# Altium PCB spd150.PcbDoc (part 15 of 15)
Units mil, origin at the board's own origin, x right, y up, seen from the top; angles counter-clockwise.
Board outline 8557 x 5807 mil, 10 copper layers (TOP, LYR2-PLN, LYR3-SIG, LYR4-SIG, LYR5-PLN, LYR6-PLN, LYR7-SIG, LYR8-SIG, LYR9-PLN, BOTTOM), stack 84 mil thick; 1065 components, 972 nets, 4226 pads, 2810 vias.
Unrouted connection lines stored in the file: 16.
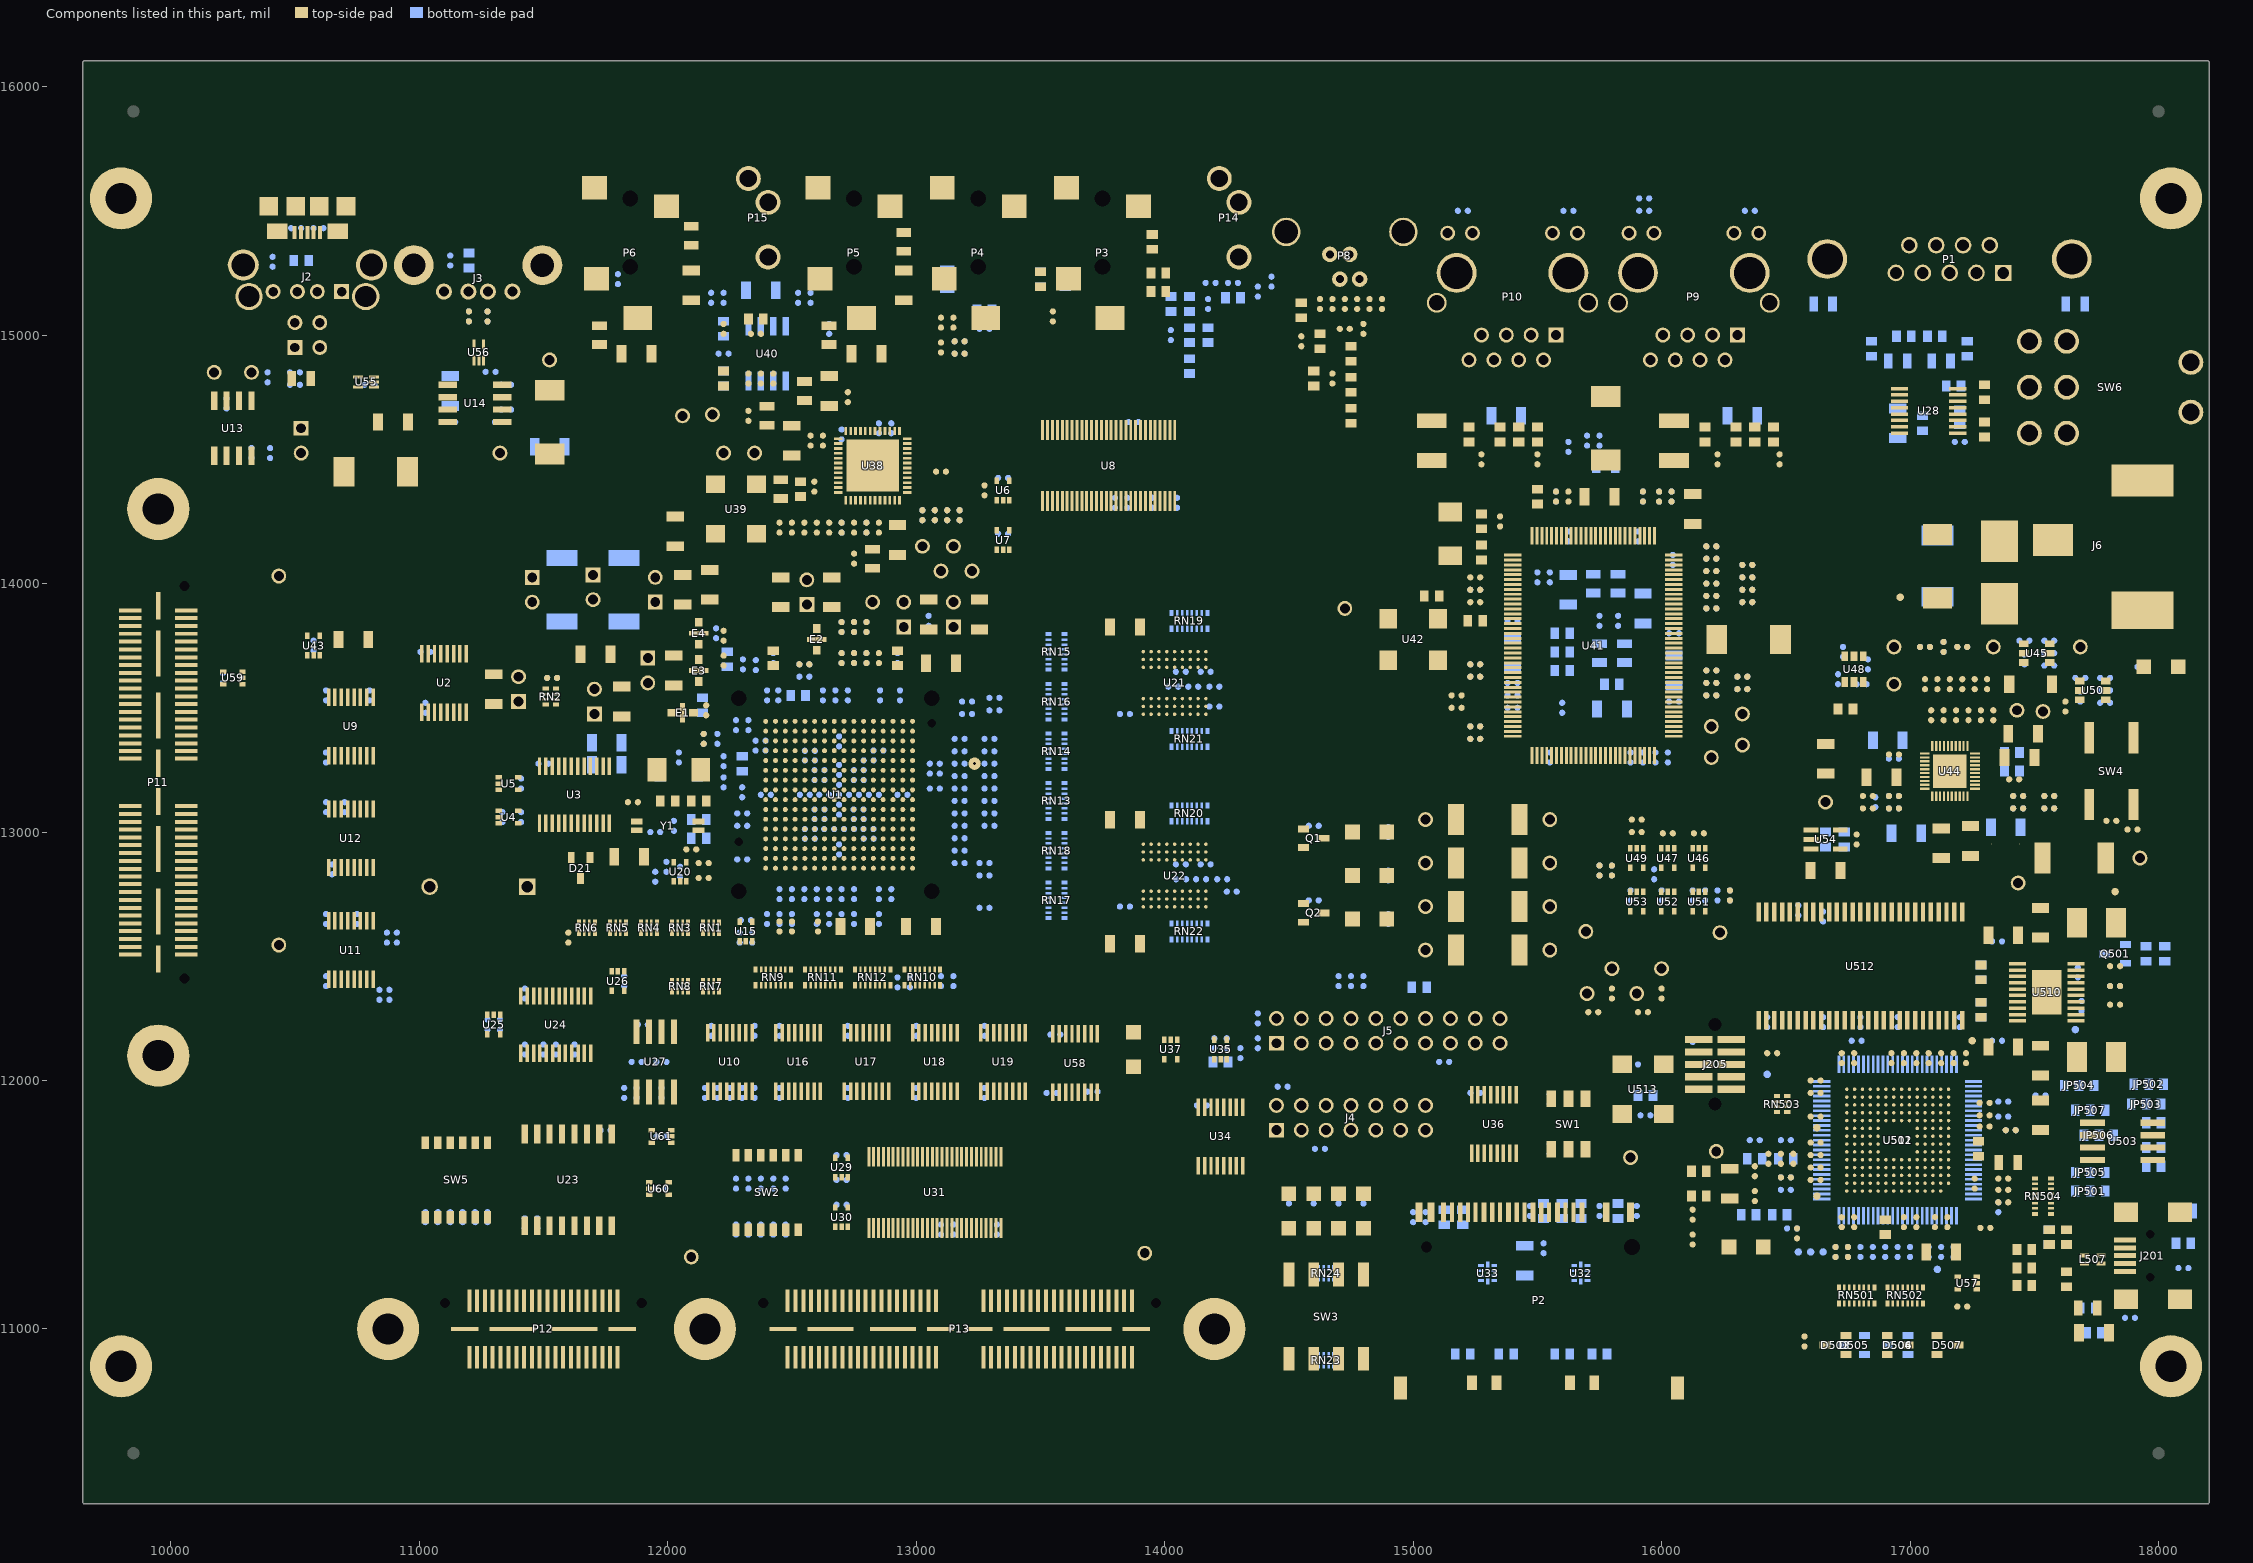
[diagram p23: the components of this part, seen from the top]

## Silkscreen, mask and mechanical layers (free items; w line width, h text height) (continued)
FAB:
  drawing of 4268 lines, arcs and shapes, not listed
  text "V-SCORE DETAIL" at 27570,13975 h250
  text "TSLK" at 29350,12300 h150
  text "TSLK" at 29350,12300 h150
  text "SMC" at 29415,11760 h150
  text "SMC" at 29415,11760 h150
  text "LAYER 1" at 29095,11235 h150
  text "LAYER 2" at 29100,10685 h150
  text "LAYER 3" at 29100,10100 h150
  text "LAYER 3" at 29100,10100 h150
  text "LAYER 4" at 29100,9550 h150
  text "LAYER 4" at 29100,9550 h150
  text "LAYER 5" at 29100,9000 h150
  text "LAYER 5" at 29100,9000 h150
  text "LAYER 6" at 29100,8450 h150
  text "LAYER 6" at 29100,8450 h150
  text "9.  IMPEDENCE CONTROL DIFF PAIRS TO 90 OHMS, 6 MIL LINE WITH 5 MIL SPACE." at 1720,8200 h150
  text "IMPEDENCE CONTROL DIFF PAIRS TO 100 OHMS, 5.2 MIL LINE WITH 4.8 IL SPACE." at 2280,7915 h150
  text "LAYER 7" at 29100,7900 h150
  text "IMPEDENCE CONTROL SINGLE ENDED 5 MIL LINES TO 50 OHMS." at 2290,7630 h150
  text "FAB HOUSE CAN MODIFY TO MEET REQUIRED IMPEDENCES." at 2280,7375 h150
  text "LAYER 8" at 29100,7350 h150
  text "8.  SURFACE FINISH SHALL BE IMMERSION GOLD." at 1715,6940 h150
  text "TSLK" at 9287.5,6821 h150
  text "LAYER 9" at 29100,6800 h150
  text "7.  FINISHED BOARD SHALL BE FREE OF BURRS ON EDGES." at 1675,6475 h150
  text "LAYER 10" at 29100,6250 h150
  text "6.  DRC'S MUST BE RUN ON THE GERBERS BEFORE BUILDING BOARDS UNLESS PRIOR" at 1675,6050 h150
  text "APPROVAL IS GIVEN IN WRITING." at 2225,5750 h150
  text "SMS" at 29350,5700 h150
  text "SMS" at 29350,5700 h150
  text "5.  PLATED THRU HOLE SIZE TOLERANCES SHALL BE +/- .003 INCH." at 1675,5300 h150
  text "BSLK" at 29325,5150 h150
  text "BSLK" at 29325,5150 h150
  text "UNPLATED THRU HOLE SIZE TOLERANCES SHALL BE +/- .002 INCH." at 2225,5000 h150
  text "4.  SOLDERMASK ON BOTH SIDES OF THE BOARD SHALL BE S.M.O.B.C., LPI, COLOR GREEN." at 1650,4550 h150
  text "LAYER SCHEDULE" at 27750,4375 h250
  text "LAYER SCHEDULE" at 27750,4375 h250
  text "3.  MINIMUM TRACE AND SPACE SHALL BE .004 OF AN INCH." at 1650,4100 h150
  text "SCALE: NONE" at 28850,4075 h150
  text "SCALE: NONE" at 28850,4075 h150
  text "2.  COPPER PLATED SURFACE CONDUCTORS SHALL BE THE EQUIVALENT OF 1 OZ. COPPER" at 1650,3650 h150
  text "AFTER PLATING.  PLANE LAYERS SHALL BE 1 OZ. COPPER.  AVERAGE COPPER ON" at 2200,3350 h150
  text "APPROVED" at 26250,3175 h100
  text "THE WALL OF THE PLATED HOLE SHALL BE .001 INCH." at 2200,3050 h150
  text "SPECTRUM DIGITAL" at 29200,3000 h175
  text "SPECTRUM DIGITAL" at 29200,3000 h175
  text "CHECKED" at 26250,2925 h100
  text "DRAFTING" at 26250,2675 h100
  text "ionDesign" at 27500,2650 h100
  text "ionDesign" at 27500,2650 h100
  text "1   TOTAL BOARD THICKNESS SHALL BE .062 +/- .007 INCHES." at 1625,2600 h150
  text "FABRICATION DRAWING," at 28800,2450 h150
  text "FABRICATION DRAWING," at 28800,2450 h150
  text "TURNING CONCEPT" at 32500,2450 h75
  text "DATE" at 23225,2425 h100
  text "09/10/09" at 24675,2425 h100
  text "09/10/09" at 24675,2425 h100
  text "ENGR" at 26250,2425 h100
  text "ALL MATERIAL SHALL BE NEMA GRADE FR-4 OR EQUIVALENT. (Tg>=170 DEG. C)" at 2200,2300 h150
  text "INTO REALITY" at 32600,2300 h75
  text "DESIGN ENGR" at 23225,2175 h100
  text "4410 SHOALWOOD" at 32600,2175 h55
  text "AUSTIN,TEXAS 78756" at 32475,2075 h55
  text "OMAP-L137 EVM" at 28800,2050 h150
  text "OMAP-L137 EVM" at 28800,2050 h150
  text "(512)260-5778" at 32650,1975 h55
  text "PROJECT ENGR" at 23225,1925 h100
  text "NOTES: UNLESS OTHERWISE SPECIFIED" at 1775,1700 h180
  text "ENGR MGR" at 23225,1675 h100
  text "NONE" at 29600,1675 h100
  text "511341 REV F" at 31275,1525 h150
  text "NEXT ASSEMBLY" at 23950,1425 h100
  text "1 OF 1" at 29600,1425 h100
FAB2:
  drawing of 2914 lines, arcs and shapes, not listed
  text "CUSTOMER NAME" at 29700,3000 h175
  text "CUSTOMER NAME" at 29700,3000 h175
  text "TURNING CONCEPT" at 32500,2450 h75
  text "FABRICATION DRAWING," at 28800,2400 h150
  text "FABRICATION DRAWING," at 28800,2400 h150
  text "INTO REALITY" at 32600,2300 h75
  text "4410 SHOALWOOD" at 32600,2175 h55
  text "AUSTIN,TEXAS 78756" at 32475,2075 h55
  text "BOARD NAME" at 28875,2025 h150
  text "BOARD NAME" at 28875,2025 h150
  text "(512)260-5778" at 32650,1975 h55
  text "NONE" at 29600,1675 h100
  text "PCB NUMBER" at 31525,1510 h150
  text "PCB NUMBER" at 31525,1510 h150
  text "2 OF 2" at 29600,1425 h100
  text "2 OF 2" at 29600,1425 h100
ASSY2:
  drawing of 2914 lines, arcs and shapes, not listed
  text "CUSTOMER NAME" at 29700,3000 h175
  text "CUSTOMER NAME" at 29700,3000 h175
  text "TURNING CONCEPT" at 32500,2450 h75
  text "ASSEMBLY DRAWING," at 28800,2400 h150
  text "ASSEMBLY DRAWING," at 28800,2400 h150
  text "INTO REALITY" at 32600,2300 h75
  text "4410 SHOALWOOD" at 32600,2175 h55
  text "AUSTIN,TEXAS 78756" at 32475,2075 h55
  text "BOARD NAME" at 28875,2025 h150
  text "BOARD NAME" at 28875,2025 h150
  text "(512)260-5778" at 32650,1975 h55
  text "ASSEMBLY SOLDER SIDE" at 14910,1830 h250
  text "ASSEMBLY SOLDER SIDE" at 14910,1830 h250
  text "NONE" at 29600,1675 h100
  text "NONE" at 29600,1675 h100
  text "ASSY NUMBER" at 31395,1515 h150
  text "ASSY NUMBER" at 31395,1515 h150
  text "2 OF 2" at 29600,1425 h100
  text "2 OF 2" at 29600,1425 h100
TITLE_BLOCK:
  drawing of 2088 lines, arcs and shapes, not listed
  text "TURNING CONCEPT" at 12430,8135 h75
  text "SPECTRUM DIGITAL" at 13750,8100 h100
  text "SPECTRUM DIGITAL" at 13750,8100 h100
  text "INTO REALITY" at 12510,8000 h75
  text "OMPA-L137 EVM" at 14450,7825 h75
  text "OMPA-L137 EVM" at 14450,7825 h75
  text "4410 SHOALWOOD" at 12590,7760 h55
  text "AUSTIN,TEXAS 78756" at 12460,7655 h55
  text "(512)260-5778" at 12590,7555 h55
  text "DATE:" at 13750,7545 h100
  text "DATE:" at 13750,7545 h100
  text "09/10/09" at 14325,7545 h100
  text "09/10/09" at 14325,7545 h100
DIMENSION:
  lines w1: 9300,10650 9294,10650 9300,10650 ; 9300,10650 9400,10700 ; 9300,10650 9400,10700 ; 9380,15325 9239,15325 9380,15325 ; 9380,15325 9555,15595 ; 9380,15325 9555,15595 ; 9400,10700 9550,10700 9400,10700 ; 9555,15595 10290,15595 9555,15595 ; 9650,16800 13601,16800 9650,16800 ; 9650,16800 9800,16775 ; 9650,16800 9800,16825 ; 9650,16800 9800,16775 ; 9650,16800 9800,16825 ; 9800,16775 9800,16825 ; 9800,16775 9800,16825 ; 18050,16775 18050,16825 ; 18050,16775 18200,16800 ; 18050,16775 18050,16825 ; 18050,16775 18200,16800 ; 18050,16825 18200,16800 ; 18050,16825 18200,16800 ; 18200,16800 14299,16800 18200,16800 ; 19075,10450 19125,10450 ; 19075,10450 19100,10300 ; 19075,10450 19125,10450 ; 19075,10450 19100,10300 ; 19075,15950 19125,15950 ; 19075,15950 19100,16100 ; 19075,15950 19125,15950 ; 19075,15950 19100,16100 ; 19100,10300 19100,12951 19100,10300 ; 19100,10300 19125,10450 ; 19100,10300 19125,10450 ; 19100,16100 19100,13649 19100,16100 ; 19100,16100 19125,15950 ; 19100,16100 19125,15950 ; 9274,15700 9550,15700 9274,15700 ; 9274,16100 9550,16100 9274,16100 ; 9279,10850 9700,10850 9279,10850 ; 9294,10300 9550,10300 9294,10300 ; 9650,10144 9650,10200 9650,10144 ; 9650,16200 9650,16900 9650,16200 ; 9800,10129 9800,10750 9800,10129 ; 10390,15800 10390,16251 10390,15800 ; 10715,15800 10715,16246 10715,15800 ; 18200,16200 18200,16900 18200,16200 ; 18300,10300 19200,10300 18300,10300 ; 18300,16100 19200,16100 18300,16100
  text "8.550" at 13680,16750 h100
  text "8.550" at 13680,16750 h100
  text ".590" at 10440,16330 h100 r90
  text ".590" at 10440,16330 h100 r90
  text ".915" at 10765,16325 h100 r90
  text ".915" at 10765,16325 h100 r90
  text "5.250" at 8655,16050 h100
  text "5.250" at 8655,16050 h100
  text "BREAK OFF TAB" at 13300,15850 h100
  text "(VSCORE)" at 7675,15655 h100
  text "4.850" at 8655,15650 h100
  text "4.850" at 8655,15650 h100
  text "4.745" at 8620,15275 h100
  text "4.745" at 8620,15275 h100
  text "5.800" at 19150,13030 h100 r90
  text "5.800" at 19150,13030 h100 r90
  text "0" at 9100,10800 h100
  text "0" at 9100,10800 h100
  text "(VSCORE)" at 7830,10605 h100
  text ".150" at 8785,10600 h100
  text ".150" at 8785,10600 h100
  text "BREAK OFF TAB" at 13300,10450 h100
  text ".550" at 8785,10250 h100
  text ".550" at 8785,10250 h100
  text "0" at 9750,9950 h100
  text "0" at 9750,9950 h100
  text ".150" at 9700,9635 h100 r90
  text ".150" at 9700,9635 h100 r90
CHECK PLOT ONLY:
  text "CHECK PLOT ONLY" at 11305,8870 h250
DESIGN_NOTES:
  text "1. All board outlines shall be .020 in width." at 1650,21900 h150
  text "2. All other lines shall be .012 in width." at 1650,21650 h150
  text "3. Note and misc. text shall be text block 10." at 1650,21350 h150
  text "4. View and description text shall be text block 16." at 1650,21050 h150
  text "5. Make sure that there is not any double dimensioning," at 1650,20800 h150
  text "label (REF) dim when needed." at 2050,20500 h150
  text "6. Check all notes to make sure that they apply and are correct." at 1650,20200 h150
  text "7. Make sure that layer stack-up is correct." at 1650,19900 h150
Mechanical 13:
  lines w1: 150,350 150,23700 35775,23700 35775,350 150,350
DRAWING_ORIGIN:
  lines w1: 9775,10850 9825,10850 ; 9800,10825 9800,10875
PIN_NUMBER:
  text "1" at 9838,15900 h30
  text "1" at 9838,15900 h30
  text "1" at 17988,15900 h30
  text "1" at 17988,15900 h30
  text "1" at 9838,10500 h30
  text "1" at 9838,10500 h30
  text "1" at 17988,10500 h30
  text "1" at 17988,10500 h30
ASSEMBLY_TOP:
  text "*" at 9850,16000 h40
  text "XX" at 18000,16000 h40
  text "*" at 9850,10600 h40
  text "*" at 18000,10600 h40
PLACE_BOUND_TOP:
  region: 17950,15850 18050,15850 18050,15950 17950,15950
  region: 9800,15850 9900,15850 9900,15950 9800,15950
  region: 9800,10450 9900,10450 9900,10550 9800,10550
  region: 17950,10450 18050,10450 18050,10550 17950,10550
ASSEMBLY_BOTTOM:
  text "*" at 9850,16000 h40
  text "*" at 18000,16000 h40
  text "*" at 9850,10600 h40
  text "*" at 18000,10600 h40

## Text inside footprints (layer, text, board x,y; h text height)
C1: PIN_NUMBER "2" at 11037,13725 h20 r180; PIN_NUMBER "1" at 10997,13725 h20 r180; ASSEMBLY_BOTTOM "USERPART#" at 11025,13875 h25 r180; ASSEMBLY_BOTTOM "TOLERANCE" at 11025,13825 h25 r180; ASSEMBLY_BOTTOM "0.1uF" at 11025,13725 h25 r180; SYMBOL_PART_DIM "0" at 10933,13738 h25 r180; SYMBOL_PART_DIM "0" at 11017,13809 h25 r180; SYMBOL_PART_DIM "C402-35X32" at 10902,13863 h25 r180; SYMBOL_PART_DIM "PAD 35X32 OV" at 10902,13913 h25 r180
C2: PIN_NUMBER "2" at 11512,13275 h20 r180; PIN_NUMBER "1" at 11472,13275 h20 r180; ASSEMBLY_BOTTOM "USERPART#" at 11500,13425 h25 r180; ASSEMBLY_BOTTOM "TOLERANCE" at 11500,13375 h25 r180; ASSEMBLY_BOTTOM "0.1uF" at 11500,13275 h25 r180; SYMBOL_PART_DIM "0" at 11408,13288 h25 r180; SYMBOL_PART_DIM "0" at 11492,13359 h25 r180; SYMBOL_PART_DIM "C402-35X32" at 11377,13413 h25 r180; SYMBOL_PART_DIM "PAD 35X32 OV" at 11377,13463 h25 r180
C3: PIN_NUMBER "2" at 11402,13040 h20 r90; PIN_NUMBER "1" at 11402,13080 h20 r90; ASSEMBLY_BOTTOM "USERPART#" at 11560,13060 h25 r90; ASSEMBLY_BOTTOM "TOLERANCE" at 11510,13060 h25 r90; SYMBOL_PART_DIM "0" at 11423,13152 h25 r90; SYMBOL_PART_DIM "0" at 11494,13068 h25 r90; SYMBOL_PART_DIM "C402-35X32" at 11548,13183 h25 r90; SYMBOL_PART_DIM "PAD 35X32 OV" at 11598,13183 h25 r90
C4: PIN_NUMBER "2" at 11402,13175 h20 r90; PIN_NUMBER "1" at 11402,13215 h20 r90; ASSEMBLY_BOTTOM "USERPART#" at 11560,13195 h25 r90; ASSEMBLY_BOTTOM "TOLERANCE" at 11510,13195 h25 r90; SYMBOL_PART_DIM "0" at 11423,13287 h25 r90; SYMBOL_PART_DIM "0" at 11494,13203 h25 r90; SYMBOL_PART_DIM "C402-35X32" at 11548,13318 h25 r90; SYMBOL_PART_DIM "PAD 35X32 OV" at 11598,13318 h25 r90
C5: PIN_NUMBER "2" at 13362,14200 h20 r180; PIN_NUMBER "1" at 13322,14200 h20 r180; ASSEMBLY_BOTTOM "USERPART#" at 13350,14350 h25 r180; ASSEMBLY_BOTTOM "TOLERANCE" at 13350,14300 h25 r180; ASSEMBLY_BOTTOM "0.1uF" at 13350,14200 h25 r180; SYMBOL_PART_DIM "0" at 13258,14213 h25 r180; SYMBOL_PART_DIM "0" at 13342,14284 h25 r180; SYMBOL_PART_DIM "C402-35X32" at 13227,14338 h25 r180; SYMBOL_PART_DIM "PAD 35X32 OV" at 13227,14388 h25 r180
C6: PIN_NUMBER "2" at 13362,14425 h20 r180; PIN_NUMBER "1" at 13322,14425 h20 r180; ASSEMBLY_BOTTOM "USERPART#" at 13350,14575 h25 r180; ASSEMBLY_BOTTOM "TOLERANCE" at 13350,14525 h25 r180; ASSEMBLY_BOTTOM "0.1uF" at 13350,14425 h25 r180; SYMBOL_PART_DIM "0" at 13258,14438 h25 r180; SYMBOL_PART_DIM "0" at 13342,14509 h25 r180; SYMBOL_PART_DIM "C402-35X32" at 13227,14563 h25 r180; SYMBOL_PART_DIM "PAD 35X32 OV" at 13227,14613 h25 r180
C7: PIN_NUMBER "2" at 13792,14345 h20 r270; PIN_NUMBER "1" at 13792,14305 h20 r270; ASSEMBLY_BOTTOM "USERPART#" at 13650,14325 h25 r270; ASSEMBLY_BOTTOM "TOLERANCE" at 13700,14325 h25 r270; ASSEMBLY_BOTTOM "0.1uF" at 13800,14325 h25 r270; SYMBOL_PART_DIM "0" at 13787,14233 h25 r270; SYMBOL_PART_DIM "0" at 13716,14317 h25 r270; SYMBOL_PART_DIM "C402-35X32" at 13662,14202 h25 r270; SYMBOL_PART_DIM "PAD 35X32 OV" at 13612,14202 h25 r270
C8: PIN_NUMBER "2" at 13842,14345 h20 r270; PIN_NUMBER "1" at 13842,14305 h20 r270; ASSEMBLY_BOTTOM "USERPART#" at 13700,14325 h25 r270; ASSEMBLY_BOTTOM "TOLERANCE" at 13750,14325 h25 r270; SYMBOL_PART_DIM "0" at 13837,14233 h25 r270; SYMBOL_PART_DIM "0" at 13766,14317 h25 r270; SYMBOL_PART_DIM "C402-35X32" at 13712,14202 h25 r270; SYMBOL_PART_DIM "PAD 35X32 OV" at 13662,14202 h25 r270
C9: PIN_NUMBER "2" at 10617,13530 h20 r90; PIN_NUMBER "1" at 10617,13570 h20 r90; ASSEMBLY_BOTTOM "USERPART#" at 10775,13550 h25 r90; ASSEMBLY_BOTTOM "TOLERANCE" at 10725,13550 h25 r90; ASSEMBLY_BOTTOM "0.1uF" at 10625,13550 h25 r90; SYMBOL_PART_DIM "0" at 10638,13642 h25 r90; SYMBOL_PART_DIM "0" at 10709,13558 h25 r90; SYMBOL_PART_DIM "C402-35X32" at 10763,13673 h25 r90; SYMBOL_PART_DIM "PAD 35X32 OV" at 10813,13673 h25 r90
C10: PIN_NUMBER "2" at 12167,12180 h20 r90; PIN_NUMBER "1" at 12167,12220 h20 r90; ASSEMBLY_BOTTOM "USERPART#" at 12325,12200 h25 r90; ASSEMBLY_BOTTOM "TOLERANCE" at 12275,12200 h25 r90; ASSEMBLY_BOTTOM "0.1uF" at 12175,12200 h25 r90; SYMBOL_PART_DIM "0" at 12188,12292 h25 r90; SYMBOL_PART_DIM "0" at 12259,12208 h25 r90; SYMBOL_PART_DIM "C402-35X32" at 12313,12323 h25 r90; SYMBOL_PART_DIM "PAD 35X32 OV" at 12363,12323 h25 r90
C11: PIN_NUMBER "2" at 10617,12630 h20 r90; PIN_NUMBER "1" at 10617,12670 h20 r90; ASSEMBLY_BOTTOM "USERPART#" at 10775,12650 h25 r90; ASSEMBLY_BOTTOM "TOLERANCE" at 10725,12650 h25 r90; ASSEMBLY_BOTTOM "0.1uF" at 10625,12650 h25 r90; SYMBOL_PART_DIM "0" at 10638,12742 h25 r90; SYMBOL_PART_DIM "0" at 10709,12658 h25 r90; SYMBOL_PART_DIM "C402-35X32" at 10763,12773 h25 r90; SYMBOL_PART_DIM "PAD 35X32 OV" at 10813,12773 h25 r90
C12: PIN_NUMBER "2" at 10617,13080 h20 r90; PIN_NUMBER "1" at 10617,13120 h20 r90; ASSEMBLY_BOTTOM "USERPART#" at 10775,13100 h25 r90; ASSEMBLY_BOTTOM "TOLERANCE" at 10725,13100 h25 r90; ASSEMBLY_BOTTOM "0.1uF" at 10625,13100 h25 r90; SYMBOL_PART_DIM "0" at 10638,13192 h25 r90; SYMBOL_PART_DIM "0" at 10709,13108 h25 r90; SYMBOL_PART_DIM "C402-35X32" at 10763,13223 h25 r90; SYMBOL_PART_DIM "PAD 35X32 OV" at 10813,13223 h25 r90
C13: PIN_NUMBER "2" at 11449,14550 h40; PIN_NUMBER "1" at 11569,14550 h40; SYMB_DIM "0" at 11700,14525 h40; SYMB_DIM "0" at 11550,14400 h40; SYMB_DIM "C1206-40X70" at 11249,14755 h40; SYMB_DIM "SP  40X70OV" at 11239,14175 h40; SYMB_DIM "SM  48X78" at 11321,14250 h40; SYMB_DIM "PAD 40X70OV" at 11239,14325 h40; ASSEMBLY_BOTTOM "+" at 11640,14535 h40; ASSEMBLY_BOTTOM "X" at 11485,14535 h40; ASSEMBLY_BOTTOM "X" at 11525,14535 h40; ASSEMBLY_BOTTOM "10uF" at 11560,14535 h40; Bottom Overlay "+" at 11635,14590 h35
C14: PIN_NUMBER "2" at 10939,14650 h40; PIN_NUMBER "1" at 10819,14650 h40; Top Overlay "+" at 10765,14655 h35; ASSEMBLY_TOP "+" at 10780,14685 h40; ASSEMBLY_TOP "X" at 10935,14635 h40; ASSEMBLY_TOP "X" at 10895,14635 h40; ASSEMBLY_TOP "6.8uF" at 10860,14635 h40; SYMB_DIM "0" at 10720,14625 h40; SYMB_DIM "0" at 10870,14500 h40; SYMB_DIM "C1206-40X70" at 10819,14855 h40; SYMB_DIM "SP  40X70OV" at 10829,14275 h40; SYMB_DIM "SM  48X78" at 10811,14350 h40; SYMB_DIM "PAD 40X70OV" at 10829,14425 h40
C15: PIN_NUMBER "2" at 10512,14850 h20 r180; PIN_NUMBER "1" at 10472,14850 h20 r180; ASSEMBLY_BOTTOM "USERPART#" at 10500,15000 h25 r180; ASSEMBLY_BOTTOM "TOLERANCE" at 10500,14950 h25 r180; ASSEMBLY_BOTTOM "0.1uF" at 10500,14850 h25 r180; SYMBOL_PART_DIM "0" at 10408,14863 h25 r180; SYMBOL_PART_DIM "0" at 10492,14934 h25 r180; SYMBOL_PART_DIM "C402-35X32" at 10377,14988 h25 r180; SYMBOL_PART_DIM "PAD 35X32 OV" at 10377,15038 h25 r180
C16: PIN_NUMBER "2" at 10934,14425 h40; PIN_NUMBER "1" at 10609,14475 h40; ASSEMBLY_TOP "X" at 10800,14380 h40; ASSEMBLY_TOP "X" at 10750,14380 h40; ASSEMBLY_TOP "100uF" at 10705,14380 h40; SYMB_DIM "0" at 10520,14430 h40; SYMB_DIM "0" at 10805,14230 h40; SYMB_DIM "C7343-84X118" at 10525,14850 h40; SYMB_DIM "SP  84X118REC" at 10525,14000 h40; SYMB_DIM "SM  92X126REC" at 10525,14075 h40; SYMB_DIM "PAD 84X118REC" at 10525,14150 h40
C17: PIN_NUMBER "2" at 12137,13355 h20 r270; PIN_NUMBER "1" at 12137,13395 h20 r270; ASSEMBLY_TOP "USERPART#" at 11995,13375 h25 r270; ASSEMBLY_TOP "TOLERANCE" at 12045,13375 h25 r270; ASSEMBLY_TOP "0.001uF" at 12145,13375 h25 r270; SYMBOL_PART_DIM "0" at 12132,13467 h25 r270; SYMBOL_PART_DIM "0" at 12061,13383 h25 r270; SYMBOL_PART_DIM "C402-35X32" at 12007,13498 h25 r270; SYMBOL_PART_DIM "PAD 35X32 OV" at 11957,13498 h25 r270
C18: PIN_NUMBER "2" at 12137,13355 h20 r90; PIN_NUMBER "1" at 12137,13395 h20 r90; ASSEMBLY_BOTTOM "USERPART#" at 12295,13375 h25 r90; ASSEMBLY_BOTTOM "TOLERANCE" at 12245,13375 h25 r90; ASSEMBLY_BOTTOM "0.1uF" at 12145,13375 h25 r90; SYMBOL_PART_DIM "0" at 12158,13467 h25 r90; SYMBOL_PART_DIM "0" at 12229,13383 h25 r90; SYMBOL_PART_DIM "C402-35X32" at 12283,13498 h25 r90; SYMBOL_PART_DIM "PAD 35X32 OV" at 12333,13498 h25 r90
C19: PIN_NUMBER "2" at 12192,13355 h20 r90; PIN_NUMBER "1" at 12192,13395 h20 r90; ASSEMBLY_BOTTOM "USERPART#" at 12350,13375 h25 r90; ASSEMBLY_BOTTOM "TOLERANCE" at 12300,13375 h25 r90; ASSEMBLY_BOTTOM "0.01uF" at 12200,13375 h25 r90; SYMBOL_PART_DIM "0" at 12213,13467 h25 r90; SYMBOL_PART_DIM "0" at 12284,13383 h25 r90; SYMBOL_PART_DIM "C402-35X32" at 12338,13498 h25 r90; SYMBOL_PART_DIM "PAD 35X32 OV" at 12388,13498 h25 r90
C20: PIN_NUMBER "2" at 12294,13240 h20 r90; PIN_NUMBER "1" at 12294,13300 h20 r90; SYMB_DIM "0" at 12320,13415 h40 r90; SYMB_DIM "0" at 12435,13295 h40 r90; SYMB_DIM "C603-35X45" at 12150,13425 h40 r90; SYMB_DIM "SP  35X45OV" at 12645,13435 h40 r90; SYMB_DIM "SM  43X53OV" at 12575,13435 h40 r90; SYMB_DIM "PAD 35X45OV" at 12500,13435 h40 r90; ASSEMBLY_BOTTOM "X" at 12310,13225 h40 r90; ASSEMBLY_BOTTOM "X" at 12315,13260 h40 r90; ASSEMBLY_BOTTOM "1uF" at 12315,13295 h40 r90
C21: PIN_NUMBER "2" at 12522,13675 h20 r180; PIN_NUMBER "1" at 12562,13675 h20 r180; ASSEMBLY_TOP "USERPART#" at 12550,13825 h25 r180; ASSEMBLY_TOP "TOLERANCE" at 12550,13775 h25 r180; ASSEMBLY_TOP "0.001uF" at 12550,13675 h25 r180; SYMBOL_PART_DIM "0" at 12642,13688 h25 r180; SYMBOL_PART_DIM "0" at 12558,13759 h25 r180; SYMBOL_PART_DIM "C402-35X32" at 12673,13813 h25 r180; SYMBOL_PART_DIM "PAD 35X32 OV" at 12673,13863 h25 r180
C22: PIN_NUMBER "2" at 12522,13675 h20; PIN_NUMBER "1" at 12562,13675 h20; ASSEMBLY_BOTTOM "USERPART#" at 12550,13525 h25; ASSEMBLY_BOTTOM "TOLERANCE" at 12550,13575 h25; ASSEMBLY_BOTTOM "0.1uF" at 12550,13675 h25; SYMBOL_PART_DIM "0" at 12642,13662 h25; SYMBOL_PART_DIM "0" at 12558,13591 h25; SYMBOL_PART_DIM "C402-35X32" at 12673,13537 h25; SYMBOL_PART_DIM "PAD 35X32 OV" at 12673,13487 h25
C23: PIN_NUMBER "2" at 12522,13625 h20; PIN_NUMBER "1" at 12562,13625 h20; ASSEMBLY_BOTTOM "USERPART#" at 12550,13475 h25; ASSEMBLY_BOTTOM "TOLERANCE" at 12550,13525 h25; ASSEMBLY_BOTTOM "0.01uF" at 12550,13625 h25; SYMBOL_PART_DIM "0" at 12642,13612 h25; SYMBOL_PART_DIM "0" at 12558,13541 h25; SYMBOL_PART_DIM "C402-35X32" at 12673,13487 h25; SYMBOL_PART_DIM "PAD 35X32 OV" at 12673,13437 h25
C24: PIN_NUMBER "2" at 12474,13540 h20; PIN_NUMBER "1" at 12534,13540 h20; SYMB_DIM "0" at 12665,13530 h40; SYMB_DIM "0" at 12545,13415 h40; SYMB_DIM "C603-35X45" at 12675,13700 h40; SYMB_DIM "SP  35X45OV" at 12685,13205 h40; SYMB_DIM "SM  43X53OV" at 12685,13275 h40; SYMB_DIM "PAD 35X45OV" at 12685,13350 h40; ASSEMBLY_BOTTOM "X" at 12475,13540 h40; ASSEMBLY_BOTTOM "X" at 12510,13535 h40; ASSEMBLY_BOTTOM "1uF" at 12545,13535 h40
C25: PIN_NUMBER "2" at 17222,11090 h20; PIN_NUMBER "1" at 17182,11090 h20; ASSEMBLY_TOP "USERPART#" at 17210,10940 h25; ASSEMBLY_TOP "TOLERANCE" at 17210,10990 h25; ASSEMBLY_TOP "0.1uF" at 17210,11090 h25; SYMBOL_PART_DIM "0" at 17118,11077 h25; SYMBOL_PART_DIM "0" at 17202,11006 h25; SYMBOL_PART_DIM "C402-35X32" at 17087,10952 h25; SYMBOL_PART_DIM "PAD 35X32 OV" at 17087,10902 h25
C26: PIN_NUMBER "2" at 12417,13720 h20 r270; PIN_NUMBER "1" at 12417,13680 h20 r270; ASSEMBLY_BOTTOM "USERPART#" at 12275,13700 h25 r270; ASSEMBLY_BOTTOM "TOLERANCE" at 12325,13700 h25 r270; ASSEMBLY_BOTTOM "NO-POP" at 12425,13700 h25 r270; SYMBOL_PART_DIM "0" at 12412,13608 h25 r270; SYMBOL_PART_DIM "0" at 12341,13692 h25 r270; SYMBOL_PART_DIM "C402-35X32" at 12287,13577 h25 r270; SYMBOL_PART_DIM "PAD 35X32 OV" at 12237,13577 h25 r270
C27: PIN_NUMBER "2" at 12419,13735 h20 r90; PIN_NUMBER "1" at 12419,13675 h20 r90; ASSEMBLY_TOP "X" at 12435,13750 h40 r90; ASSEMBLY_TOP "X" at 12440,13715 h40 r90; SYMB_DIM "0" at 12445,13560 h40 r90; SYMB_DIM "0" at 12560,13680 h40 r90; SYMB_DIM "C603-35X45" at 12275,13550 h40 r90; SYMB_DIM "SP  35X45OV" at 12770,13540 h40 r90; SYMB_DIM "SM  43X53OV" at 12700,13540 h40 r90; SYMB_DIM "PAD 35X45OV" at 12625,13540 h40 r90
C28: PIN_NUMBER "2" at 11109,14835 h40 r270; PIN_NUMBER "1" at 11109,14715 h40 r270; SYMB_DIM "0" at 11100,14600 h40 r270; SYMB_DIM "0" at 10975,14750 h40 r270; SYMB_DIM "C1206-40X70" at 11154,14875 h40 r270; SYMB_DIM "SP  40X70OV" at 10574,14885 h40 r270; SYMB_DIM "SM  48X78" at 10681,14835 h40 r270; SYMB_DIM "PAD 40X70OV" at 10724,14885 h40 r270; ASSEMBLY_BOTTOM "+" at 11110,14660 h40 r270; ASSEMBLY_BOTTOM "X" at 11110,14815 h40 r270; ASSEMBLY_BOTTOM "X" at 11110,14775 h40 r270; ASSEMBLY_BOTTOM "10uF" at 11110,14740 h40 r270; Bottom Overlay "+" at 11160,14670 h35 r270
C29: PIN_NUMBER "2" at 11484,14525 h40 r270; PIN_NUMBER "1" at 11534,14850 h40 r270; ASSEMBLY_TOP "X" at 11455,14675 h40 r270; ASSEMBLY_TOP "X" at 11455,14725 h40 r270; ASSEMBLY_TOP "100uF" at 11455,14770 h40 r270; SYMB_DIM "0" at 11505,14955 h40 r270; SYMB_DIM "0" at 11305,14670 h40 r270; SYMB_DIM "C7343-84X118" at 11925,14950 h40 r270; SYMB_DIM "SP  84X118REC" at 11075,14950 h40 r270; SYMB_DIM "SM  92X126REC" at 11150,14950 h40 r270; SYMB_DIM "PAD 84X118REC" at 11225,14950 h40 r270
C30: PIN_NUMBER "2" at 11362,14800 h20 r180; PIN_NUMBER "1" at 11322,14800 h20 r180; ASSEMBLY_BOTTOM "USERPART#" at 11350,14950 h25 r180; ASSEMBLY_BOTTOM "TOLERANCE" at 11350,14900 h25 r180; ASSEMBLY_BOTTOM "0.1uF" at 11350,14800 h25 r180; SYMBOL_PART_DIM "0" at 11258,14813 h25 r180; SYMBOL_PART_DIM "0" at 11342,14884 h25 r180; SYMBOL_PART_DIM "C402-35X32" at 11227,14938 h25 r180; SYMBOL_PART_DIM "PAD 35X32 OV" at 11227,14988 h25 r180
C31: PIN_NUMBER "2" at 12147,13470 h20 r270; PIN_NUMBER "1" at 12147,13510 h20 r270; ASSEMBLY_TOP "USERPART#" at 12005,13490 h25 r270; ASSEMBLY_TOP "TOLERANCE" at 12055,13490 h25 r270; ASSEMBLY_TOP "0.001uF" at 12155,13490 h25 r270; SYMBOL_PART_DIM "0" at 12142,13582 h25 r270; SYMBOL_PART_DIM "0" at 12071,13498 h25 r270; SYMBOL_PART_DIM "C402-35X32" at 12017,13613 h25 r270; SYMBOL_PART_DIM "PAD 35X32 OV" at 11967,13613 h25 r270
C32: PIN_NUMBER "2" at 12317,13410 h20 r90; PIN_NUMBER "1" at 12317,13450 h20 r90; ASSEMBLY_BOTTOM "USERPART#" at 12475,13430 h25 r90; ASSEMBLY_BOTTOM "TOLERANCE" at 12425,13430 h25 r90; ASSEMBLY_BOTTOM "0.1uF" at 12325,13430 h25 r90; SYMBOL_PART_DIM "0" at 12338,13522 h25 r90; SYMBOL_PART_DIM "0" at 12409,13438 h25 r90; SYMBOL_PART_DIM "C402-35X32" at 12463,13553 h25 r90; SYMBOL_PART_DIM "PAD 35X32 OV" at 12513,13553 h25 r90
C33: PIN_NUMBER "2" at 12267,13410 h20 r90; PIN_NUMBER "1" at 12267,13450 h20 r90; ASSEMBLY_BOTTOM "USERPART#" at 12425,13430 h25 r90; ASSEMBLY_BOTTOM "TOLERANCE" at 12375,13430 h25 r90; ASSEMBLY_BOTTOM "0.01uF" at 12275,13430 h25 r90; SYMBOL_PART_DIM "0" at 12288,13522 h25 r90; SYMBOL_PART_DIM "0" at 12359,13438 h25 r90; SYMBOL_PART_DIM "C402-35X32" at 12413,13553 h25 r90; SYMBOL_PART_DIM "PAD 35X32 OV" at 12463,13553 h25 r90
C34: PIN_NUMBER "2" at 12134,13475 h20 r90; PIN_NUMBER "1" at 12134,13535 h20 r90; SYMB_DIM "0" at 12160,13650 h40 r90; SYMB_DIM "0" at 12275,13530 h40 r90; SYMB_DIM "C603-35X45" at 11990,13660 h40 r90; SYMB_DIM "SP  35X45OV" at 12485,13670 h40 r90; SYMB_DIM "SM  43X53OV" at 12415,13670 h40 r90; SYMB_DIM "PAD 35X45OV" at 12340,13670 h40 r90; ASSEMBLY_BOTTOM "X" at 12150,13460 h40 r90; ASSEMBLY_BOTTOM "X" at 12155,13495 h40 r90; ASSEMBLY_BOTTOM "1uF" at 12155,13530 h40 r90
C35: PIN_NUMBER "2" at 12217,13810 h20 r90; PIN_NUMBER "1" at 12217,13770 h20 r90; ASSEMBLY_TOP "USERPART#" at 12375,13790 h25 r90; ASSEMBLY_TOP "TOLERANCE" at 12325,13790 h25 r90; ASSEMBLY_TOP "0.001uF" at 12225,13790 h25 r90; SYMBOL_PART_DIM "0" at 12238,13698 h25 r90; SYMBOL_PART_DIM "0" at 12309,13782 h25 r90; SYMBOL_PART_DIM "C402-35X32" at 12363,13667 h25 r90; SYMBOL_PART_DIM "PAD 35X32 OV" at 12413,13667 h25 r90
C36: PIN_NUMBER "2" at 12217,13670 h20 r270; PIN_NUMBER "1" at 12217,13710 h20 r270; ASSEMBLY_TOP "USERPART#" at 12075,13690 h25 r270; ASSEMBLY_TOP "TOLERANCE" at 12125,13690 h25 r270; ASSEMBLY_TOP "0.1uF" at 12225,13690 h25 r270; SYMBOL_PART_DIM "0" at 12212,13782 h25 r270; SYMBOL_PART_DIM "0" at 12141,13698 h25 r270; SYMBOL_PART_DIM "C402-35X32" at 12087,13813 h25 r270; SYMBOL_PART_DIM "PAD 35X32 OV" at 12037,13813 h25 r270
C37: PIN_NUMBER "2" at 12187,13820 h20 r270; PIN_NUMBER "1" at 12187,13780 h20 r270; ASSEMBLY_BOTTOM "USERPART#" at 12045,13800 h25 r270; ASSEMBLY_BOTTOM "TOLERANCE" at 12095,13800 h25 r270; ASSEMBLY_BOTTOM "0.01uF" at 12195,13800 h25 r270; SYMBOL_PART_DIM "0" at 12182,13708 h25 r270; SYMBOL_PART_DIM "0" at 12111,13792 h25 r270; SYMBOL_PART_DIM "C402-35X32" at 12057,13677 h25 r270; SYMBOL_PART_DIM "PAD 35X32 OV" at 12007,13677 h25 r270
C38: PIN_NUMBER "2" at 12234,13660 h20 r90; PIN_NUMBER "1" at 12234,13720 h20 r90; SYMB_DIM "0" at 12260,13835 h40 r90; SYMB_DIM "0" at 12375,13715 h40 r90; SYMB_DIM "C603-35X45" at 12090,13845 h40 r90; SYMB_DIM "SP  35X45OV" at 12585,13855 h40 r90; SYMB_DIM "SM  43X53OV" at 12515,13855 h40 r90; SYMB_DIM "PAD 35X45OV" at 12440,13855 h40 r90; ASSEMBLY_BOTTOM "X" at 12250,13645 h40 r90; ASSEMBLY_BOTTOM "X" at 12255,13680 h40 r90; ASSEMBLY_BOTTOM "1uF" at 12255,13715 h40 r90
C39: PIN_NUMBER "2" at 12327,12645 h20 r180; PIN_NUMBER "1" at 12287,12645 h20 r180; ASSEMBLY_BOTTOM "USERPART#" at 12315,12795 h25 r180; ASSEMBLY_BOTTOM "TOLERANCE" at 12315,12745 h25 r180; SYMBOL_PART_DIM "0" at 12223,12658 h25 r180; SYMBOL_PART_DIM "0" at 12307,12729 h25 r180; SYMBOL_PART_DIM "C402-35X32" at 12192,12783 h25 r180; SYMBOL_PART_DIM "PAD 35X32 OV" at 12192,12833 h25 r180
C40: PIN_NUMBER "2" at 12442,12180 h20 r90; PIN_NUMBER "1" at 12442,12220 h20 r90; ASSEMBLY_BOTTOM "USERPART#" at 12600,12200 h25 r90; ASSEMBLY_BOTTOM "TOLERANCE" at 12550,12200 h25 r90; ASSEMBLY_BOTTOM "0.1uF" at 12450,12200 h25 r90; SYMBOL_PART_DIM "0" at 12463,12292 h25 r90; SYMBOL_PART_DIM "0" at 12534,12208 h25 r90; SYMBOL_PART_DIM "C402-35X32" at 12588,12323 h25 r90; SYMBOL_PART_DIM "PAD 35X32 OV" at 12638,12323 h25 r90
C41: PIN_NUMBER "2" at 12717,12180 h20 r90; PIN_NUMBER "1" at 12717,12220 h20 r90; ASSEMBLY_BOTTOM "USERPART#" at 12875,12200 h25 r90; ASSEMBLY_BOTTOM "TOLERANCE" at 12825,12200 h25 r90; ASSEMBLY_BOTTOM "0.1uF" at 12725,12200 h25 r90; SYMBOL_PART_DIM "0" at 12738,12292 h25 r90; SYMBOL_PART_DIM "0" at 12809,12208 h25 r90; SYMBOL_PART_DIM "C402-35X32" at 12863,12323 h25 r90; SYMBOL_PART_DIM "PAD 35X32 OV" at 12913,12323 h25 r90
C42: PIN_NUMBER "2" at 12992,12180 h20 r90; PIN_NUMBER "1" at 12992,12220 h20 r90; ASSEMBLY_BOTTOM "USERPART#" at 13150,12200 h25 r90; ASSEMBLY_BOTTOM "TOLERANCE" at 13100,12200 h25 r90; ASSEMBLY_BOTTOM "0.1uF" at 13000,12200 h25 r90; SYMBOL_PART_DIM "0" at 13013,12292 h25 r90; SYMBOL_PART_DIM "0" at 13084,12208 h25 r90; SYMBOL_PART_DIM "C402-35X32" at 13138,12323 h25 r90; SYMBOL_PART_DIM "PAD 35X32 OV" at 13188,12323 h25 r90
C43: PIN_NUMBER "2" at 13267,12180 h20 r90; PIN_NUMBER "1" at 13267,12220 h20 r90; ASSEMBLY_BOTTOM "USERPART#" at 13425,12200 h25 r90; ASSEMBLY_BOTTOM "TOLERANCE" at 13375,12200 h25 r90; ASSEMBLY_BOTTOM "0.1uF" at 13275,12200 h25 r90; SYMBOL_PART_DIM "0" at 13288,12292 h25 r90; SYMBOL_PART_DIM "0" at 13359,12208 h25 r90; SYMBOL_PART_DIM "C402-35X32" at 13413,12323 h25 r90; SYMBOL_PART_DIM "PAD 35X32 OV" at 13463,12323 h25 r90
C44: PIN_NUMBER "2" at 12157,12815 h20; PIN_NUMBER "1" at 12117,12815 h20; ASSEMBLY_TOP "USERPART#" at 12145,12665 h25; ASSEMBLY_TOP "TOLERANCE" at 12145,12715 h25; ASSEMBLY_TOP "0.1uF" at 12145,12815 h25; SYMBOL_PART_DIM "0" at 12053,12802 h25; SYMBOL_PART_DIM "0" at 12137,12731 h25; SYMBOL_PART_DIM "C402-35X32" at 12022,12677 h25; SYMBOL_PART_DIM "PAD 35X32 OV" at 12022,12627 h25
C45: PIN_NUMBER "2" at 12157,12875 h20; PIN_NUMBER "1" at 12117,12875 h20; ASSEMBLY_TOP "USERPART#" at 12145,12725 h25; ASSEMBLY_TOP "TOLERANCE" at 12145,12775 h25; ASSEMBLY_TOP "0.01uF" at 12145,12875 h25; SYMBOL_PART_DIM "0" at 12053,12862 h25; SYMBOL_PART_DIM "0" at 12137,12791 h25; SYMBOL_PART_DIM "C402-35X32" at 12022,12737 h25; SYMBOL_PART_DIM "PAD 35X32 OV" at 12022,12687 h25
C46: PIN_NUMBER "2" at 12074,12965 h20; PIN_NUMBER "1" at 12134,12965 h20; SYMB_DIM "0" at 12265,12955 h40; SYMB_DIM "0" at 12145,12840 h40; SYMB_DIM "C603-35X45" at 12275,13125 h40; SYMB_DIM "SP  35X45OV" at 12285,12630 h40; SYMB_DIM "SM  43X53OV" at 12285,12700 h40; SYMB_DIM "PAD 35X45OV" at 12285,12775 h40; ASSEMBLY_BOTTOM "X" at 12075,12965 h40; ASSEMBLY_BOTTOM "X" at 12110,12960 h40; ASSEMBLY_BOTTOM "18 pF" at 12145,12960 h40
C47: PIN_NUMBER "2" at 12074,13040 h20; PIN_NUMBER "1" at 12134,13040 h20; SYMB_DIM "0" at 12265,13030 h40; SYMB_DIM "0" at 12145,12915 h40; SYMB_DIM "C603-35X45" at 12275,13200 h40; SYMB_DIM "SP  35X45OV" at 12285,12705 h40; SYMB_DIM "SM  43X53OV" at 12285,12775 h40; SYMB_DIM "PAD 35X45OV" at 12285,12850 h40; ASSEMBLY_BOTTOM "X" at 12075,13040 h40; ASSEMBLY_BOTTOM "X" at 12110,13035 h40; ASSEMBLY_BOTTOM "18 pF" at 12145,13035 h40
C48: PIN_NUMBER "1" at 11944,13225 h20 r270; PIN_NUMBER "2" at 11944,13285 h20 r270; SYMB_DIM "0" at 11950,13110 h40 r270; SYMB_DIM "0" at 11835,13230 h40 r270; SYMB_DIM "C603-35X45" at 12120,13100 h40 r270; SYMB_DIM "SP  35X45OV" at 11625,13090 h40 r270; SYMB_DIM "SM  43X53OV" at 11695,13090 h40 r270; SYMB_DIM "PAD 35X45OV" at 11770,13090 h40 r270; ASSEMBLY_BOTTOM "X" at 11960,13300 h40 r270; ASSEMBLY_BOTTOM "X" at 11955,13265 h40 r270; ASSEMBLY_BOTTOM "18 pF" at 11955,13230 h40 r270
C49: PIN_NUMBER "1" at 12094,13225 h20 r270; PIN_NUMBER "2" at 12094,13285 h20 r270; SYMB_DIM "0" at 12100,13110 h40 r270; SYMB_DIM "0" at 11985,13230 h40 r270; SYMB_DIM "C603-35X45" at 12270,13100 h40 r270; SYMB_DIM "SP  35X45OV" at 11775,13090 h40 r270; SYMB_DIM "SM  43X53OV" at 11845,13090 h40 r270; SYMB_DIM "PAD 35X45OV" at 11920,13090 h40 r270; ASSEMBLY_BOTTOM "X" at 12110,13300 h40 r270; ASSEMBLY_BOTTOM "X" at 12105,13265 h40 r270; ASSEMBLY_BOTTOM "18 pF" at 12105,13230 h40 r270
C50: PIN_NUMBER "2" at 11949,13135 h20 r180; PIN_NUMBER "1" at 12009,13135 h20 r180; ASSEMBLY_TOP "X" at 11950,13135 h40 r180; ASSEMBLY_TOP "X" at 11985,13140 h40 r180; ASSEMBLY_TOP "22pF" at 12020,13140 h40 r180; SYMB_DIM "0" at 12140,13145 h40 r180; SYMB_DIM "0" at 12020,13260 h40 r180; SYMB_DIM "C603-35X45" at 12150,12975 h40 r180; SYMB_DIM "SP  35X45OV" at 12160,13470 h40 r180; SYMB_DIM "SM  43X53OV" at 12160,13400 h40 r180; SYMB_DIM "PAD 35X45OV" at 12160,13325 h40 r180
C51: PIN_NUMBER "2" at 12042,12820 h20 r90; PIN_NUMBER "1" at 12042,12860 h20 r90; ASSEMBLY_BOTTOM "USERPART#" at 12200,12840 h25 r90; ASSEMBLY_BOTTOM "TOLERANCE" at 12150,12840 h25 r90; ASSEMBLY_BOTTOM "0.1uF" at 12050,12840 h25 r90; SYMBOL_PART_DIM "0" at 12063,12932 h25 r90; SYMBOL_PART_DIM "0" at 12134,12848 h25 r90; SYMBOL_PART_DIM "C402-35X32" at 12188,12963 h25 r90; SYMBOL_PART_DIM "PAD 35X32 OV" at 12238,12963 h25 r90
C52: PIN_NUMBER "2" at 12919,13735 h20 r90; PIN_NUMBER "1" at 12919,13675 h20 r90; ASSEMBLY_TOP "X" at 12935,13750 h40 r90; ASSEMBLY_TOP "X" at 12940,13715 h40 r90; ASSEMBLY_TOP "1uF" at 12940,13680 h40 r90; SYMB_DIM "0" at 12945,13560 h40 r90; SYMB_DIM "0" at 13060,13680 h40 r90; SYMB_DIM "C603-35X45" at 12775,13550 h40 r90; SYMB_DIM "SP  35X45OV" at 13270,13540 h40 r90; SYMB_DIM "SM  43X53OV" at 13200,13540 h40 r90; SYMB_DIM "PAD 35X45OV" at 13125,13540 h40 r90
C53: PIN_NUMBER "2" at 12524,13150 h20; PIN_NUMBER "1" at 12564,13150 h20; ASSEMBLY_BOTTOM "USERPART#" at 12552,13000 h25; ASSEMBLY_BOTTOM "TOLERANCE" at 12552,13050 h25; ASSEMBLY_BOTTOM "0.01uF" at 12552,13150 h25; SYMBOL_PART_DIM "0" at 12644,13137 h25; SYMBOL_PART_DIM "0" at 12560,13066 h25; SYMBOL_PART_DIM "C402-35X32" at 12675,13012 h25; SYMBOL_PART_DIM "PAD 35X32 OV" at 12675,12962 h25
C54: PIN_NUMBER "2" at 12842,13150 h20 r180; PIN_NUMBER "1" at 12802,13150 h20 r180; ASSEMBLY_BOTTOM "USERPART#" at 12830,13300 h25 r180; ASSEMBLY_BOTTOM "TOLERANCE" at 12830,13250 h25 r180; ASSEMBLY_BOTTOM "0.1uF" at 12830,13150 h25 r180; SYMBOL_PART_DIM "0" at 12738,13163 h25 r180; SYMBOL_PART_DIM "0" at 12822,13234 h25 r180; SYMBOL_PART_DIM "C402-35X32" at 12707,13288 h25 r180; SYMBOL_PART_DIM "PAD 35X32 OV" at 12707,13338 h25 r180
C55: PIN_NUMBER "2" at 12917,13720 h20 r270; PIN_NUMBER "1" at 12917,13680 h20 r270; ASSEMBLY_BOTTOM "USERPART#" at 12775,13700 h25 r270; ASSEMBLY_BOTTOM "TOLERANCE" at 12825,13700 h25 r270; ASSEMBLY_BOTTOM "0.001uF" at 12925,13700 h25 r270; SYMBOL_PART_DIM "0" at 12912,13608 h25 r270; SYMBOL_PART_DIM "0" at 12841,13692 h25 r270; SYMBOL_PART_DIM "C402-35X32" at 12787,13577 h25 r270; SYMBOL_PART_DIM "PAD 35X32 OV" at 12737,13577 h25 r270
C56: PIN_NUMBER "1" at 12386,13367.4 h20; PIN_NUMBER "2" at 12346,13367.4 h20; ASSEMBLY_BOTTOM "USERPART#" at 12374,13217.4 h25; ASSEMBLY_BOTTOM "TOLERANCE" at 12374,13267.4 h25; ASSEMBLY_BOTTOM "0.1uF" at 12374,13367.4 h25; SYMBOL_PART_DIM "0" at 12466,13354.4 h25; SYMBOL_PART_DIM "0" at 12382,13283.4 h25; SYMBOL_PART_DIM "C402-35X32" at 12497,13229.4 h25; SYMBOL_PART_DIM "PAD 35X32 OV" at 12497,13179.4 h25
C57: PIN_NUMBER "2" at 12295,13695 h20 r270; PIN_NUMBER "1" at 12295,13655 h20 r270; ASSEMBLY_BOTTOM "USERPART#" at 12153,13675 h25 r270; ASSEMBLY_BOTTOM "TOLERANCE" at 12203,13675 h25 r270; ASSEMBLY_BOTTOM "0.1uF" at 12303,13675 h25 r270; SYMBOL_PART_DIM "0" at 12290,13583 h25 r270; SYMBOL_PART_DIM "0" at 12219,13667 h25 r270; SYMBOL_PART_DIM "C402-35X32" at 12165,13552 h25 r270; SYMBOL_PART_DIM "PAD 35X32 OV" at 12115,13552 h25 r270
C58: PIN_NUMBER "2" at 12346.8,13691.7 h20 r270; PIN_NUMBER "1" at 12346.8,13651.7 h20 r270; ASSEMBLY_BOTTOM "USERPART#" at 12204.8,13671.7 h25 r270; ASSEMBLY_BOTTOM "TOLERANCE" at 12254.8,13671.7 h25 r270; ASSEMBLY_BOTTOM "0.01uF" at 12354.8,13671.7 h25 r270; SYMBOL_PART_DIM "0" at 12341.8,13579.7 h25 r270; SYMBOL_PART_DIM "0" at 12270.8,13663.7 h25 r270; SYMBOL_PART_DIM "C402-35X32" at 12216.8,13548.7 h25 r270; SYMBOL_PART_DIM "PAD 35X32 OV" at 12166.8,13548.7 h25 r270
C59: PIN_NUMBER "1" at 12722,13150 h20 r180; PIN_NUMBER "2" at 12762,13150 h20 r180; ASSEMBLY_BOTTOM "USERPART#" at 12750,13300 h25 r180; ASSEMBLY_BOTTOM "TOLERANCE" at 12750,13250 h25 r180; ASSEMBLY_BOTTOM "0.1uF" at 12750,13150 h25 r180; SYMBOL_PART_DIM "0" at 12658,13163 h25 r180; SYMBOL_PART_DIM "0" at 12742,13234 h25 r180; SYMBOL_PART_DIM "C402-35X32" at 12627,13288 h25 r180; SYMBOL_PART_DIM "PAD 35X32 OV" at 12627,13338 h25 r180
C60: PIN_NUMBER "1" at 12682,13190 h20 r90; PIN_NUMBER "2" at 12682,13150 h20 r90; ASSEMBLY_BOTTOM "USERPART#" at 12840,13170 h25 r90; ASSEMBLY_BOTTOM "TOLERANCE" at 12790,13170 h25 r90; ASSEMBLY_BOTTOM "0.1uF" at 12690,13170 h25 r90; SYMBOL_PART_DIM "0" at 12703,13262 h25 r90; SYMBOL_PART_DIM "0" at 12774,13178 h25 r90; SYMBOL_PART_DIM "C402-35X32" at 12828,13293 h25 r90; SYMBOL_PART_DIM "PAD 35X32 OV" at 12878,13293 h25 r90
C61: PIN_NUMBER "1" at 12272,13075 h20 r180; PIN_NUMBER "2" at 12312,13075 h20 r180; ASSEMBLY_BOTTOM "USERPART#" at 12300,13225 h25 r180; ASSEMBLY_BOTTOM "TOLERANCE" at 12300,13175 h25 r180; ASSEMBLY_BOTTOM "0.1uF" at 12300,13075 h25 r180; SYMBOL_PART_DIM "0" at 12208,13088 h25 r180; SYMBOL_PART_DIM "0" at 12292,13159 h25 r180; SYMBOL_PART_DIM "C402-35X32" at 12177,13213 h25 r180; SYMBOL_PART_DIM "PAD 35X32 OV" at 12177,13263 h25 r180
C62: PIN_NUMBER "1" at 12623,13052 h20; PIN_NUMBER "2" at 12583,13052 h20; ASSEMBLY_BOTTOM "USERPART#" at 12611,12902 h25; ASSEMBLY_BOTTOM "TOLERANCE" at 12611,12952 h25; ASSEMBLY_BOTTOM "0.1uF" at 12611,13052 h25; SYMBOL_PART_DIM "0" at 12703,13039 h25; SYMBOL_PART_DIM "0" at 12619,12968 h25; SYMBOL_PART_DIM "C402-35X32" at 12734,12914 h25; SYMBOL_PART_DIM "PAD 35X32 OV" at 12734,12864 h25
C63: PIN_NUMBER "1" at 13087,13175 h20; PIN_NUMBER "2" at 13047,13175 h20; ASSEMBLY_BOTTOM "USERPART#" at 13075,13025 h25; ASSEMBLY_BOTTOM "TOLERANCE" at 13075,13075 h25; ASSEMBLY_BOTTOM "0.1uF" at 13075,13175 h25; SYMBOL_PART_DIM "0" at 13167,13162 h25; SYMBOL_PART_DIM "0" at 13083,13091 h25; SYMBOL_PART_DIM "C402-35X32" at 13198,13037 h25; SYMBOL_PART_DIM "PAD 35X32 OV" at 13198,12987 h25
C64: PIN_NUMBER "1" at 12682,13110 h20 r90; PIN_NUMBER "2" at 12682,13070 h20 r90; ASSEMBLY_BOTTOM "USERPART#" at 12840,13090 h25 r90; ASSEMBLY_BOTTOM "TOLERANCE" at 12790,13090 h25 r90; ASSEMBLY_BOTTOM "0.1uF" at 12690,13090 h25 r90; SYMBOL_PART_DIM "0" at 12703,13182 h25 r90; SYMBOL_PART_DIM "0" at 12774,13098 h25 r90; SYMBOL_PART_DIM "C402-35X32" at 12828,13213 h25 r90; SYMBOL_PART_DIM "PAD 35X32 OV" at 12878,13213 h25 r90
C65: PIN_NUMBER "1" at 12623,13091 h20; PIN_NUMBER "2" at 12583,13091 h20; ASSEMBLY_BOTTOM "USERPART#" at 12611,12941 h25; ASSEMBLY_BOTTOM "TOLERANCE" at 12611,12991 h25; ASSEMBLY_BOTTOM "0.1uF" at 12611,13091 h25; SYMBOL_PART_DIM "0" at 12703,13078 h25; SYMBOL_PART_DIM "0" at 12619,13007 h25; SYMBOL_PART_DIM "C402-35X32" at 12734,12953 h25; SYMBOL_PART_DIM "PAD 35X32 OV" at 12734,12903 h25
C66: PIN_NUMBER "1" at 12682,13270 h20 r90; PIN_NUMBER "2" at 12682,13230 h20 r90; ASSEMBLY_BOTTOM "USERPART#" at 12840,13250 h25 r90; ASSEMBLY_BOTTOM "TOLERANCE" at 12790,13250 h25 r90; ASSEMBLY_BOTTOM "0.1uF" at 12690,13250 h25 r90; SYMBOL_PART_DIM "0" at 12703,13342 h25 r90; SYMBOL_PART_DIM "0" at 12774,13258 h25 r90; SYMBOL_PART_DIM "C402-35X32" at 12828,13373 h25 r90; SYMBOL_PART_DIM "PAD 35X32 OV" at 12878,13373 h25 r90
C67: PIN_NUMBER "1" at 12642,13150 h20; PIN_NUMBER "2" at 12602,13150 h20; ASSEMBLY_BOTTOM "USERPART#" at 12630,13000 h25; ASSEMBLY_BOTTOM "TOLERANCE" at 12630,13050 h25; ASSEMBLY_BOTTOM "0.1uF" at 12630,13150 h25; SYMBOL_PART_DIM "0" at 12722,13137 h25; SYMBOL_PART_DIM "0" at 12638,13066 h25; SYMBOL_PART_DIM "C402-35X32" at 12753,13012 h25; SYMBOL_PART_DIM "PAD 35X32 OV" at 12753,12962 h25
C68: PIN_NUMBER "1" at 12623,13249 h20; PIN_NUMBER "2" at 12583,13249 h20; ASSEMBLY_BOTTOM "USERPART#" at 12611,13099 h25; ASSEMBLY_BOTTOM "TOLERANCE" at 12611,13149 h25; ASSEMBLY_BOTTOM "0.1uF" at 12611,13249 h25; SYMBOL_PART_DIM "0" at 12703,13236 h25; SYMBOL_PART_DIM "0" at 12619,13165 h25; SYMBOL_PART_DIM "C402-35X32" at 12734,13111 h25; SYMBOL_PART_DIM "PAD 35X32 OV" at 12734,13061 h25
C69: PIN_NUMBER "2" at 11754,13715 h40; PIN_NUMBER "1" at 11634,13715 h40; Top Overlay "+" at 11595,13755 h35; ASSEMBLY_TOP "+" at 11595,13750 h40; ASSEMBLY_TOP "X" at 11750,13700 h40; ASSEMBLY_TOP "X" at 11710,13700 h40; ASSEMBLY_TOP "33uF" at 11675,13700 h40; SYMB_DIM "0" at 11535,13690 h40; SYMB_DIM "0" at 11685,13565 h40; SYMB_DIM "C1206-40X70" at 11634,13920 h40; SYMB_DIM "SP  40X70OV" at 11644,13340 h40; SYMB_DIM "SM  48X78" at 11626,13415 h40; SYMB_DIM "PAD 40X70OV" at 11644,13490 h40
C70: PIN_NUMBER "2" at 12799,12620 h40; PIN_NUMBER "1" at 12679,12620 h40; Top Overlay "+" at 12685,12670 h35; ASSEMBLY_TOP "+" at 12640,12655 h40; ASSEMBLY_TOP "X" at 12795,12605 h40; ASSEMBLY_TOP "X" at 12755,12605 h40; ASSEMBLY_TOP "33uF" at 12720,12605 h40; SYMB_DIM "0" at 12580,12595 h40; SYMB_DIM "0" at 12730,12470 h40; SYMB_DIM "C1206-40X70" at 12679,12825 h40; SYMB_DIM "SP  40X70OV" at 12689,12245 h40; SYMB_DIM "SM  48X78" at 12671,12320 h40; SYMB_DIM "PAD 40X70OV" at 12689,12395 h40
C71: PIN_NUMBER "2" at 13144,13680 h40; PIN_NUMBER "1" at 13024,13680 h40; Top Overlay "+" at 12985,13645 h35; ASSEMBLY_TOP "+" at 12985,13715 h40; ASSEMBLY_TOP "X" at 13140,13665 h40; ASSEMBLY_TOP "X" at 13100,13665 h40; ASSEMBLY_TOP "33uF" at 13065,13665 h40; SYMB_DIM "0" at 12925,13655 h40; SYMB_DIM "0" at 13075,13530 h40; SYMB_DIM "C1206-40X70" at 13024,13885 h40; SYMB_DIM "SP  40X70OV" at 13034,13305 h40; SYMB_DIM "SM  48X78" at 13016,13380 h40; SYMB_DIM "PAD 40X70OV" at 13034,13455 h40
C72: PIN_NUMBER "2" at 12154,14055 h40 r90; PIN_NUMBER "1" at 12154,13935 h40 r90; Top Overlay "+" at 12240,13935 h35 r90; ASSEMBLY_TOP "+" at 12135,13880 h40 r90; ASSEMBLY_TOP "X" at 12185,14035 h40 r90; ASSEMBLY_TOP "X" at 12185,13995 h40 r90; ASSEMBLY_TOP "33uF" at 12185,13960 h40 r90; SYMB_DIM "0" at 12195,13820 h40 r90; SYMB_DIM "0" at 12320,13970 h40 r90; SYMB_DIM "C1206-40X70" at 11789,14095 h40 r90; SYMB_DIM "SP  40X70OV" at 12369,14105 h40 r90; SYMB_DIM "SM  48X78" at 12326,14055 h40 r90; SYMB_DIM "PAD 40X70OV" at 12219,14105 h40 r90
C73: PIN_NUMBER "1" at 12741,13052 h20 r180; PIN_NUMBER "2" at 12781,13052 h20 r180; ASSEMBLY_BOTTOM "USERPART#" at 12769,13202 h25 r180; ASSEMBLY_BOTTOM "TOLERANCE" at 12769,13152 h25 r180; ASSEMBLY_BOTTOM "0.1uF" at 12769,13052 h25 r180; SYMBOL_PART_DIM "0" at 12677,13065 h25 r180; SYMBOL_PART_DIM "0" at 12761,13136 h25 r180; SYMBOL_PART_DIM "C402-35X32" at 12646,13190 h25 r180; SYMBOL_PART_DIM "PAD 35X32 OV" at 12646,13240 h25 r180